# Altium PCB PCB.PcbDoc (part 1 of 2) (continued)
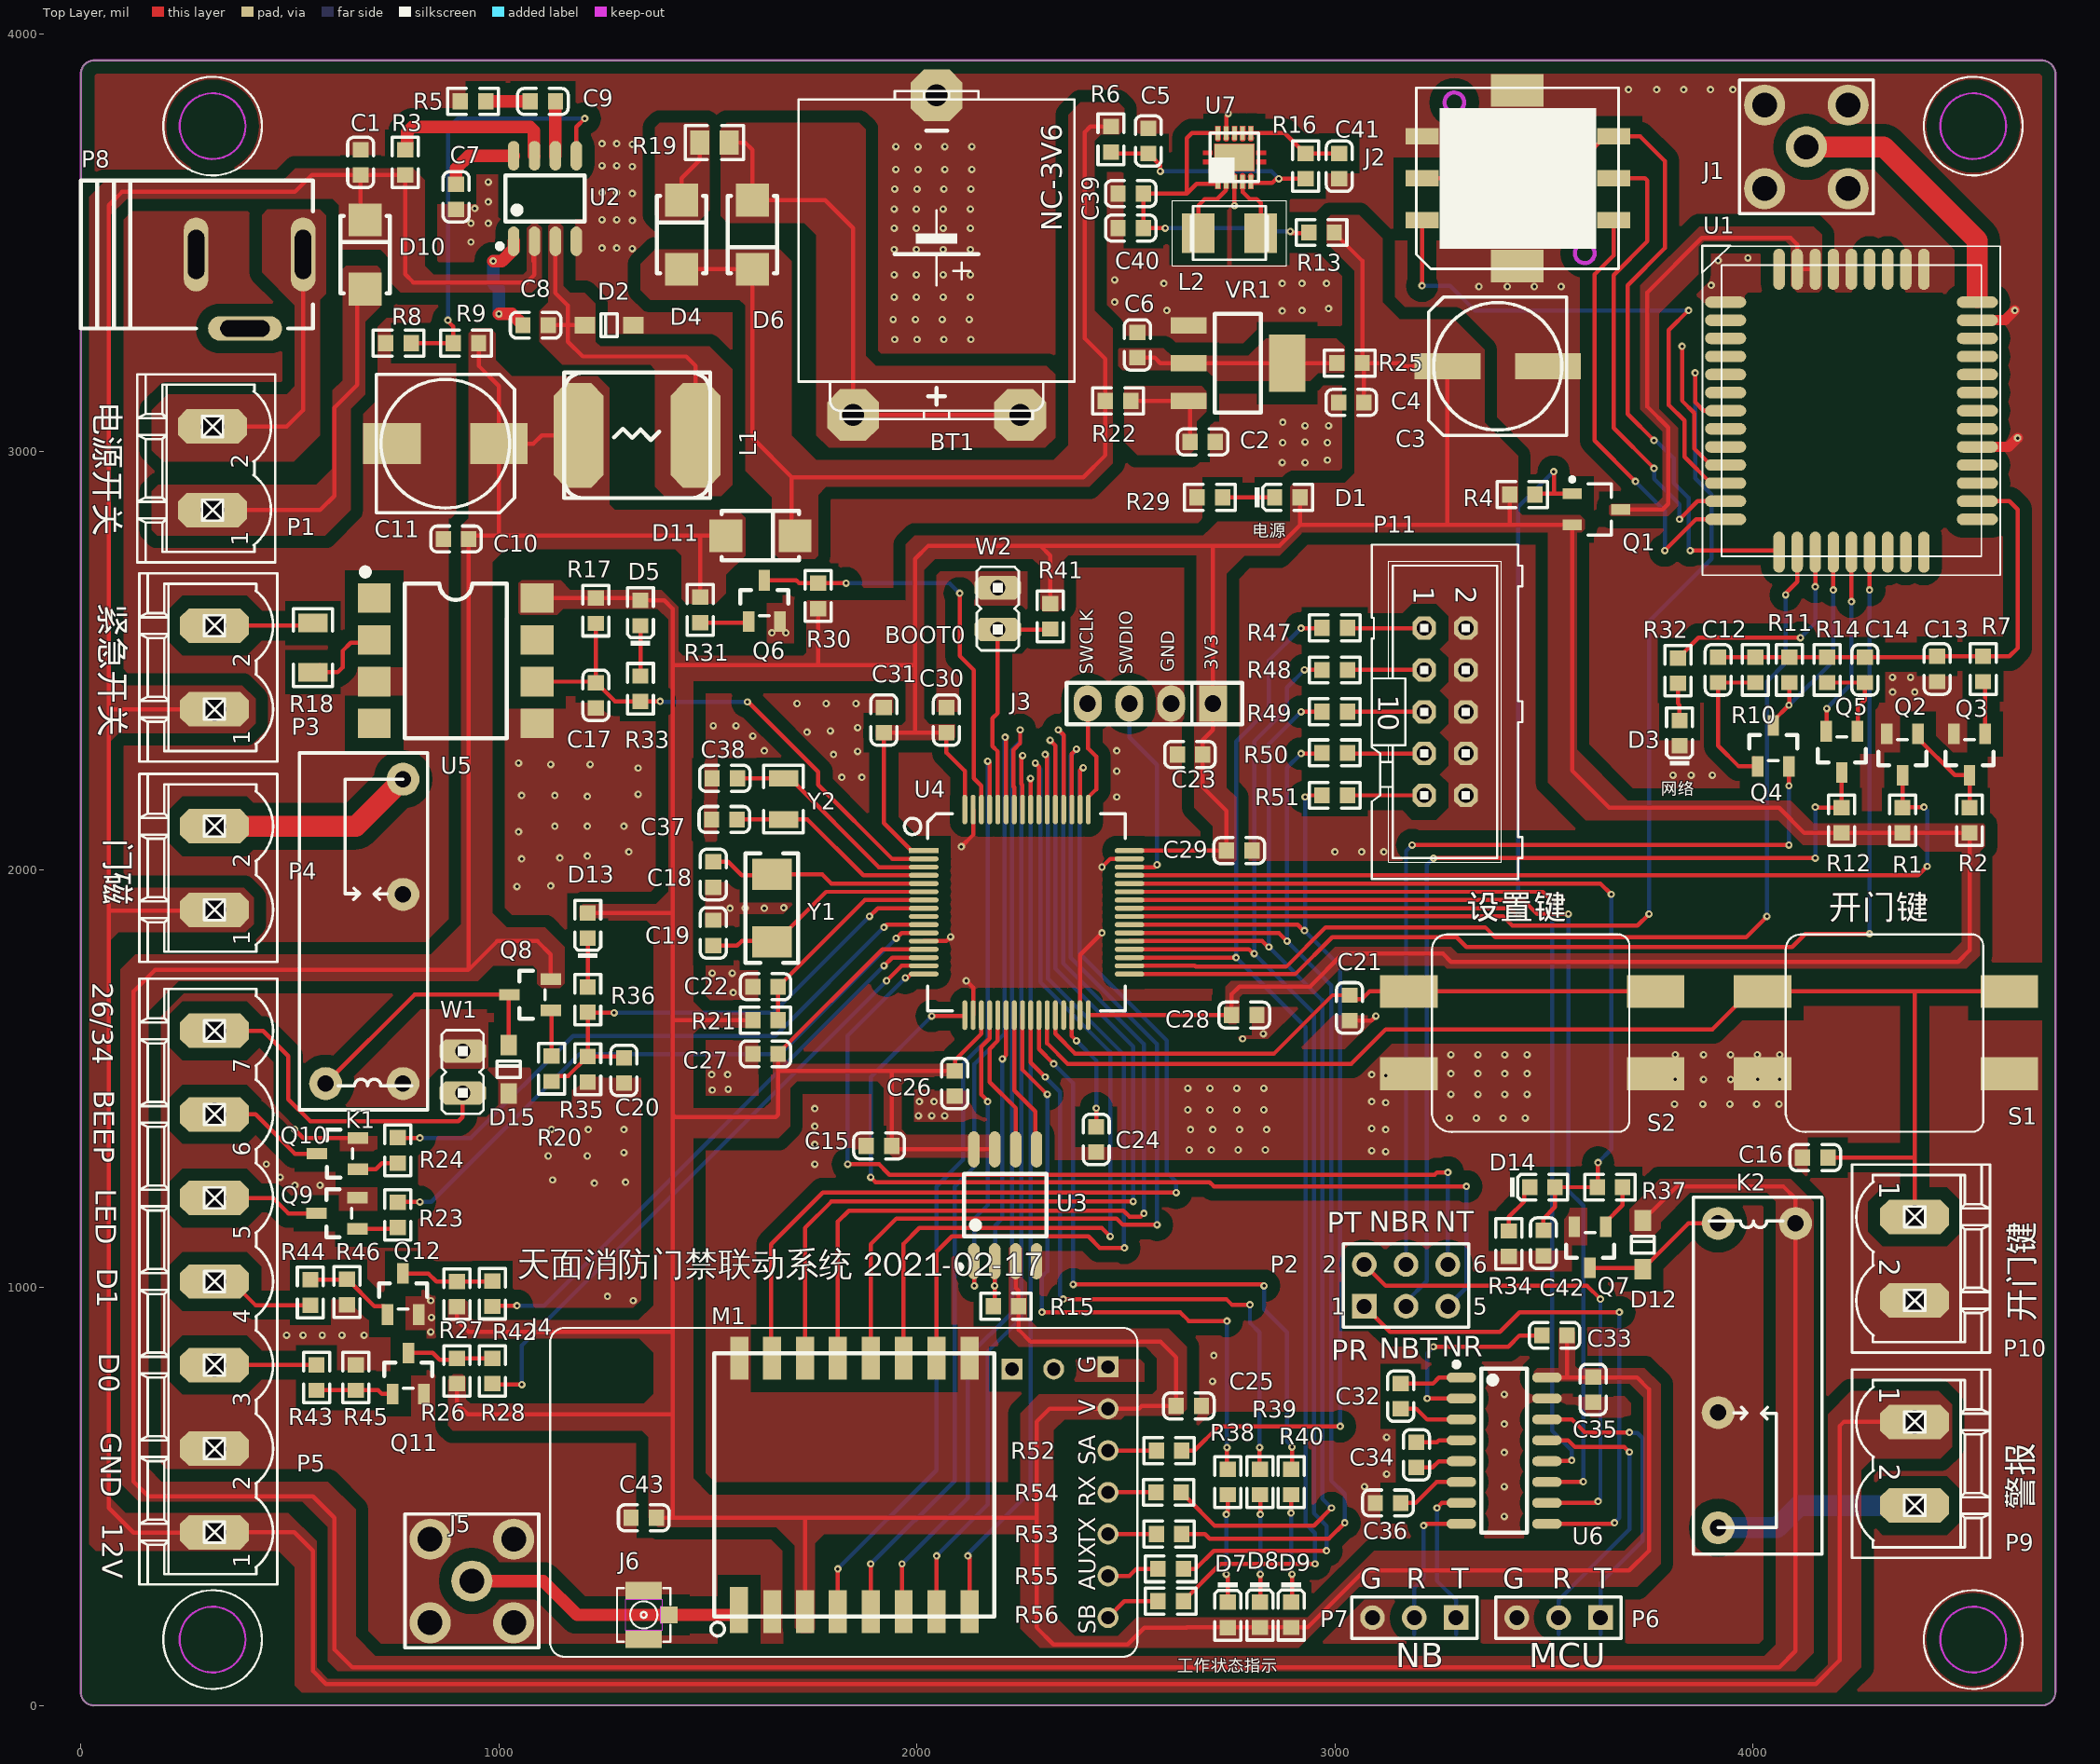
[diagram p0: Top Layer view]
## Footprints (in the part's own frame and the unit in brackets; to place one, negate y for a bottom-side part, rotate by r counter-clockwise, add the part's x,y. Pads: shape width x height; smd on the part's side, far side on the other; paste and mask are expansions set on the pad)
3V60R [mil]
  oct 124x124 hole 52: 1(-400,-200) 1(-400,200) 2(365,0)
  silkscreen extent -410,-330 375,330
12*12_KEY [mm]
  rect 3.5x2 smd: 1(-7.5,2.5) 2(-7.5,-2.5) 3(7.5,2.5) 4(7.5,-2.5)
  silkscreen extent -6.1,-6.04 5.9,5.97
153CLV-0807 [mm]
  rect 4x1.6 smd: 1(3.05,0) 2(-3.05,0)
  silkscreen extent -4.2,-4.2 4.2,4.2
153CLV-0810 [mm]
  rect 3.5x2.5 smd: 1(3.25,0) 2(-3.25,0)
  silkscreen extent -4.2,-4.2 4.2,4.2
0603_C [mm]
  rect 0.93x0.98 smd: 1(-0.77,0) 2(0.77,0)
  silkscreen extent -1.53,-0.79 1.54,0.79, body extent -0.8,-0.4 0.8,0.4, height 0.3
0603_LED_S1 [mm]
  rect 0.93x0.98 smd: A(0.77,0) K(-0.77,0)
  silkscreen extent -1.98,-0.79 1.54,0.79, body extent -0.8,-0.4 0.8,0.4, height 0.6
0603_R [mm]
  rect 0.93x0.98 smd: 1(-0.77,0) 2(0.77,0)
  silkscreen extent -1.53,-0.79 1.54,0.79, body extent -0.85,-0.4 0.85,0.4, height 0.56
0805_R [mm]
  rect 1.16x1.47 smd: 1(-0.89,0) 2(0.89,0)
  silkscreen extent -1.77,-1.04 1.77,1.03, body extent -1,-0.62 1,0.63, height 0.49
1206_R [mm]
  rect 1.13x1.8 smd: 1(-1.49,0) 2(1.49,0)
  silkscreen extent -2.36,-1.2 2.35,1.2, body extent -1.7,-0.86 1.65,0.87, height 0.85
COAXIAL/SMD/CON/V/I-PEX/W08-5801 [mm] "https://shop463601444.taobao.com"
  rect 1x1.05 smd: 1(0,-1.525)
  rect 1.05x2.2 smd: 2(-1.475,0) 3(1.475,0)
  Keep-Out Layer pour cut-out: -0.95,1.1 0.95,1.1 0.95,-1.1 0.5,-1.1 0.5,-1 -0.5,-1 -0.5,-1.1 -0.95,-1.1 -0.95,1.1
  silkscreen extent -1.63,-1.63 1.63,1.63
DRC-S-PVSON-N10 [mm]
  rect 0.28x0.85 smd: 1(-1,-1.475) 2(-0.5,-1.475) 3(0,-1.475) 4(0.5,-1.475) 5(1,-1.475) 6(1,1.475) 7(0.5,1.475) 8(0,1.475) 9(-0.5,1.475) 10(-1,1.475)
  rect 2.4x1.65 smd: TH(0,0)
  Top Layer circle w0.008: c-1,-1.165 r0.175
  Top Layer circle w0.008: c-1,-1.165 r0.115
  Top Layer circle w0.008: c-0.5,-1.165 r0.115
  Top Layer circle w0.008: c0,-1.165 r0.115
  Top Layer circle w0.008: c0.5,-1.165 r0.115
  Top Layer circle w0.008: c1,-1.165 r0.115
  Top Layer circle w0.008: c1,1.165 r0.115
  Top Layer circle w0.008: c0.5,1.165 r0.115
  Top Layer circle w0.008: c0,1.165 r0.115
  Top Layer circle w0.008: c-0.5,1.165 r0.115
  Top Layer circle w0.008: c-1,1.165 r0.115
  Top Layer circle w0.008: c-0.5,-1.165 r0.175
  Top Layer circle w0.008: c0,-1.165 r0.175
  Top Layer circle w0.008: c0.5,-1.165 r0.175
  Top Layer circle w0.008: c1,-1.165 r0.175
  Top Layer circle w0.008: c1,1.165 r0.175
  Top Layer circle w0.008: c0.5,1.165 r0.175
  Top Layer circle w0.008: c0,1.165 r0.175
  Top Layer circle w0.008: c-0.5,1.165 r0.175
  Top Layer circle w0.008: c-1,1.165 r0.175
  Top Layer region: -1.925,0.125 -1.325,0.125 -1.325,0.425 -1.925,0.425
  Top Layer region: -1.925,-0.425 -1.325,-0.425 -1.325,-0.125 -1.925,-0.125
  Top Layer region: -1.225,-0.85 1.225,-0.85 1.225,0.85 -1.225,0.85
  Top Layer region: -1.9,0.15 -1.325,0.15 -1.325,0.4 -1.9,0.4
  Top Layer region: -1.9,-0.4 -1.325,-0.4 -1.325,-0.15 -1.9,-0.15
  Top Layer region: -1.175,0.15 -0.15,0.15 -0.15,0.8 -1.175,0.8
  Top Layer region: -1.175,-0.8 -0.15,-0.8 -0.15,-0.15 -1.175,-0.15
  Top Layer region: 1.175,-0.15 0.15,-0.15 0.15,-0.8 1.175,-0.8
  Top Layer region: 1.175,0.8 0.15,0.8 0.15,0.15 1.175,0.15
  Top Layer region: -1.175,-1.925 -0.825,-1.925 -0.825,-1.165 -1.175,-1.165
  Top Layer region: -0.885,-1.85 -0.885,-1.165 -1.115,-1.165 -1.115,-1.85
  Top Layer region: -0.385,-1.85 -0.385,-1.165 -0.615,-1.165 -0.615,-1.85
  Top Layer region: 0.115,-1.85 0.115,-1.165 -0.115,-1.165 -0.115,-1.85
  Top Layer region: 0.615,-1.85 0.615,-1.165 0.385,-1.165 0.385,-1.85
  Top Layer region: 1.115,-1.85 1.115,-1.165 0.885,-1.165 0.885,-1.85
  Top Layer region: 0.885,1.85 0.885,1.165 1.115,1.165 1.115,1.85
  Top Layer region: 0.385,1.85 0.385,1.165 0.615,1.165 0.615,1.85
  Top Layer region: -0.115,1.85 -0.115,1.165 0.115,1.165 0.115,1.85
  Top Layer region: -0.615,1.85 -0.615,1.165 -0.385,1.165 -0.385,1.85
  Top Layer region: -1.115,1.85 -1.115,1.165 -0.885,1.165 -0.885,1.85
  Top Layer region: -0.675,-1.925 -0.325,-1.925 -0.325,-1.165 -0.675,-1.165
  Top Layer region: -0.175,-1.925 0.175,-1.925 0.175,-1.165 -0.175,-1.165
  Top Layer region: 0.325,-1.925 0.675,-1.925 0.675,-1.165 0.325,-1.165
  Top Layer region: 0.825,-1.925 1.175,-1.925 1.175,-1.165 0.825,-1.165
  Top Layer region: 1.175,1.925 0.825,1.925 0.825,1.165 1.175,1.165
  Top Layer region: 0.675,1.925 0.325,1.925 0.325,1.165 0.675,1.165
  Top Layer region: 0.175,1.925 -0.175,1.925 -0.175,1.165 0.175,1.165
  Top Layer region: -0.325,1.925 -0.675,1.925 -0.675,1.165 -0.325,1.165
  Top Layer region: -0.825,1.925 -1.175,1.925 -1.175,1.165 -0.825,1.165
  Top Layer region: 1.925,-0.125 1.325,-0.125 1.325,-0.425 1.925,-0.425
  Top Layer region: 1.925,0.425 1.325,0.425 1.325,0.125 1.925,0.125
  Top Layer region: 1.9,-0.15 1.325,-0.15 1.325,-0.4 1.9,-0.4
  Top Layer region: 1.9,0.4 1.325,0.4 1.325,0.15 1.9,0.15
  silkscreen extent -1.57,-1.58 1.48,1.47
G5NB-1A [mm]
  round 2 hole 1: 1(0,0) 2(11.5,0) 3(18.5,0) 4(0,4.7)
  silkscreen extent -1.6,-1.5 20.1,6.3
HDR1X3 [mm] "Connector; Header; 3 Position"
  rect 1.5x1.5 hole 0.9: 1(0,0)
  round 1.5 hole 0.9: 2(2.54,0) 3(5.08,0)
  silkscreen extent -1.27,-1.27 6.35,1.27
HDR2X3 [mm] "Connector; Header; 3x2 Position"
  rect 1.5x1.5 hole 0.9: 1(0,0)
  round 1.5 hole 0.9: 2(0,2.54) 3(2.54,0) 4(2.54,2.54) 5(5.08,0) 6(5.08,2.54)
  silkscreen extent -1.27,-1.27 6.35,3.81
JP1 [mil]
  oct 112x56 hole 36: 1(0,-50) 2(0,50)
  silkscreen extent -50,-100 50,100
L7-8 [mil]
  oct 120x250 smd: 1(-140,0) 2(140,0)
  silkscreen extent -175,-150 175,150
L4532M [mm]
  rect 2x2.4 smd: 1(-1.9,0) 2(1.9,0)
  silkscreen extent -3.47,-1.98 3.47,1.98
LQFP64 [mm]
  rect 1.8x0.3 smd: 1(0,0)
  oval 1.8x0.3 smd: 2(0,-0.5) 3(0,-1) 4(0,-1.5) 5(0,-2) 6(0,-2.5) 7(0,-3) 8(0,-3.5) 9(0,-4) 10(0,-4.5) 11(0,-5) 12(0,-5.5) 13(0,-6) 14(0,-6.5) 15(0,-7) 16(0,-7.5) 33(12.5,-7.5) 34(12.5,-7) 35(12.5,-6.5) 36(12.5,-6) 37(12.5,-5.5) 38(12.5,-5) 39(12.5,-4.5) 40(12.5,-4) 41(12.5,-3.5) 42(12.5,-3) 43(12.5,-2.5) 44(12.5,-2) 45(12.5,-1.5) 46(12.5,-1) 47(12.5,-0.5) 48(12.5,0)
  oval 0.3x1.8 smd: 17(2.5,-10) 18(3,-10) 19(3.5,-10) 20(4,-10) 21(4.5,-10) 22(5,-10) 23(5.5,-10) 24(6,-10) 25(6.5,-10) 26(7,-10) 27(7.5,-10) 28(8,-10) 29(8.5,-10) 30(9,-10) 31(9.5,-10) 32(10,-10) 49(10,2.5) 50(9.5,2.5) 51(9,2.5) 52(8.5,2.5) 53(8,2.5) 54(7.5,2.5) 55(7,2.5) 56(6.5,2.5) 57(6,2.5) 58(5.5,2.5) 59(5,2.5) 60(4.5,2.5) 61(4,2.5) 62(3.5,2.5) 63(3,2.5) 64(2.5,2.5)
  silkscreen extent -1.18,-9.75 12.25,2.25
M26 [mm]
  oval 2.5x0.7 smd: 1(-7.65,6.6) 2(-7.65,5.5) 3(-7.65,4.4) 4(-7.65,3.3) 5(-7.65,2.2) 6(-7.65,1.1) 7(-7.65,0) 8(-7.65,-1.1) 9(-7.65,-2.2) 10(-7.65,-3.3) 11(-7.65,-4.4) 12(-7.65,-5.5) 13(-7.65,-6.6) 23(7.65,-6.6) 24(7.65,-5.5) 25(7.65,-4.4) 26(7.65,-3.3) 27(7.65,-2.2) 28(7.65,-1.1) 29(7.65,0) 30(7.65,1.1) 31(7.65,2.2) 32(7.65,3.3) 33(7.65,4.4) 34(7.65,5.5) 35(7.65,6.6)
  oval 0.7x2.5 smd: 14(-4.4,-8.6) 15(-3.3,-8.6) 16(-2.2,-8.6) 17(-1.1,-8.6) 18(0,-8.6) 19(1.1,-8.6) 20(2.2,-8.6) 21(3.3,-8.6) 22(4.4,-8.6) 36(4.4,8.6) 37(3.3,8.6) 38(2.2,8.6) 39(1.1,8.6) 40(0,8.6) 41(-1.1,8.6) 42(-2.2,8.6) 43(-3.3,8.6) 44(-4.4,8.6)
  silkscreen extent -9.1,-10 9.05,10.05
ML10 [mil]
  oct 56x56 hole 36: 1(-200,-50) 2(-200,50) 3(-100,-50) 4(-100,50) 5(0,-50) 6(0,50) 7(100,-50) 8(100,50) 9(200,-50) 10(200,50)
  silkscreen extent -400,-175 400,185
MSTBV2 [mil]
  oct 82.5x165 hole 55: 1(-100,0) 2(100,0)
  silkscreen extent -225,-150 225,180
MSTBV7 [mil]
  oct 82.5x165 hole 55: 1(-600,0) 2(-400,0) 3(-200,0) 4(0,0) 5(200,0) 6(400,0) 7(600,0)
  silkscreen extent -725,-150 725,180
NANOSIM [mil]
  rect 39.37x78.74 smd: 1(119,105) 2(219,105) 3(319,105) 4(319,563) 5(219,563) 6(119,563)
  rect 78.74x125.98 smd: 7(429,335) 8(9,335)
  Keep-Out Layer circle w10: c39.38,174 r23.62
  Keep-Out Layer circle w10: c400.38,486 r23.62
  silkscreen extent 2,93 435,577
"POWER_SOCK _INSERT_5" [mm]
  oval 4.5x1.5 hole 1 slot 3 at 0 deg: 1(0,0) 2(0,6.5)
  oval 1.5x4.5 hole 1 slot 3 at 90 deg: 3(4.5,2.972)
  silkscreen extent -4.5,-7 4.5,7.11
"Ra-01 Module" [mm]
  rect 2.8x1.1 smd: 1(-7.6,7.002)
  rect 2.6x1.1 smd: 2(-7.7,4.99) 3(-7.7,3.002) 4(-7.7,1.002) 5(-7.7,-0.998) 6(-7.7,-2.998) 7(-7.7,-4.998) 8(-7.7,-6.998) 9(7.7,-6.998) 10(7.7,-4.998) 11(7.7,-2.998) 12(7.7,-0.998) 13(7.7,1.002) 14(7.7,3.002) 15(7.7,5.002) 16(7.7,6.996)
  silkscreen extent -9.18,-8.5 8,8.72
"ROLA MODULE" [mil]
  rect 50x50 hole 32: 1(-115,-300) 9(115,-295)
  round 50 hole 32: 2(-115,-200) 3(-115,-100) 4(-115,0) 5(-115,100) 6(-115,200) 7(-115,300) 8(15,-295)
  Top Layer lines w10: -110.2,104.8 -115,100 ; -114.8,299.8 -115,300 ; -114.8,199.8 -115,200 ; -114.8,-0.2 -115,0 ; -114.8,-99.8 -115,-100
  silkscreen extent -185,-394 1220,394
SIP4 [mm]
  rect 1.7x2.2 hole 1: 1(0,0)
  oval 1.7x2.2 hole 1: 2(2.54,0) 3(5.08,0) 4(7.62,0)
  silkscreen extent -1.78,-1.27 8.92,1.27
SMA(DO-214AC)_S1 [mm]
  rect 2x2 smd: 1(2.1,0) 2(-2.1,0)
  silkscreen extent -2.35,-1.5 2.35,1.5
SMD-8_6.3mm [mm]
  rect 1.8x2 smd: 1(-3.81,-4.95) 2(-1.27,-4.95) 3(1.27,-4.95) 4(3.81,-4.95) 5(3.81,4.95) 6(1.27,4.95) 7(-1.27,4.95) 8(-3.81,4.95)
  silkscreen extent -5.6,-5.7 4.7,3.1
"SMD-3215_2P FC - 135" [mm]
  rect 1x1.8 smd: 1(-1.25,0) 2(1.25,0)
  silkscreen extent -2.05,-1.2 2.05,1.2
SMD-5032_2P [mm]
  rect 1.9x2.4 smd: 1(-2.05,0) 2(2.05,0)
  silkscreen extent -3.32,-1.6 3.32,1.6
SOD-123 [mm]
  rect 1.25x1 smd: 1(1.475,0) 2(-1.475,0)
  silkscreen extent -0.5,-0.7 0.5,0.7, body extent -1.85,-0.77 1.85,0.78, height 1.35
SOIC-8_150mil [mm]
  oval 0.7x1.8 smd: 1(-1.905,-2.6) 2(-0.635,-2.6) 3(0.635,-2.6) 4(1.905,-2.6) 5(1.905,2.6) 6(0.635,2.6) 7(-0.635,2.6) 8(-1.905,2.6)
  silkscreen extent -2.9,-3.05 2.4,1.4
SOIC-8_208mil [mm]
  oval 0.7x2.2 smd: 1(-1.905,-3.4) 2(-0.635,-3.4) 3(0.635,-3.4) 4(1.905,-3.4) 5(1.905,3.4) 6(0.635,3.4) 7(-0.635,3.4) 8(-1.905,3.4)
  silkscreen extent -2.95,-3.9 2.5,1.9
SOIC-16_150mil [mm]
  oval 0.6x1.8 smd: 1(-4.445,-2.6) 2(-3.175,-2.6) 3(-1.905,-2.6) 4(-0.635,-2.6) 5(0.635,-2.6) 6(1.905,-2.6) 7(3.175,-2.6) 8(4.445,-2.6) 9(4.445,2.6) 10(3.175,2.6) 11(1.905,2.6) 12(0.635,2.6) 13(-0.635,2.6) 14(-1.905,2.6) 15(-3.175,2.6) 16(-4.445,2.6)
  silkscreen extent -5.4,-3.05 4.97,1.4, body extent -4.95,-2.97 4.95,3.03, height 1.75
SOT-23(SOT-23-3) [mm]
  rect 1.25x0.7 smd: 1(1.25,-0.95) 2(1.25,0.95) 3(-1.25,0)
  silkscreen extent -0.65,-1.46 0.9,1.46, body extent -1.5,-1.5 1.5,1.5, height 1.3
SOT-23-3L [mm] "http://www.aosmd.com/res/packaging_information/SOT-23-3L.pdf"
  rect 1.15x0.65 smd: 1(1.475,-0.95) 2(1.475,0.95) 3(-1.475,0)
  silkscreen extent -0.9,-1.95 1.6,1.55, body extent -0.9,-1.55 0.9,1.55, height 1.25
SOT-223 [mm]
  rect 2.2x1 smd: 1(3,-2.3) 2(3,0) 3(3,2.3)
  rect 2.2x3.5 smd: 2(-3,0)
  silkscreen extent -1.4,-3 1.4,3, body extent -3.49,-3.24 3.49,3.24, height 1.64
T-5P [mm]
  round 2.5 hole 1.5: 1(0.005,0.005) 2(-2.535,-2.535) 3(2.545,-2.535) 4(2.545,2.545) 5(-2.535,2.545)
  silkscreen extent -4.06,-4.06 4.07,4.07

## Part data
BT1: "Multicell Battery", LatestRevisionDate=17-Jul-2002, LatestRevisionNote="Re-released for DXP Platform.", PackageDescription="Battery; 2 Leads", PackageReference=BAT-2, Published=24-Mar-1999, Publisher="Altium Limited"
C1 C2 C4 C6 C7 C10 C15 C22 C23 C25 C26 C27 C28 C29 C30 C31 C32 C33 C34 C35 C36 C41 C43: library part "0603 100nF (104) 10% 50V", "贴片电容", Package=0603, SuppliersPartNumber=C14663, ComponentLink1Description=供应商链接, ComponentLink1URL=http://www.szlcsc.com/product/details_15331.html, Supplier=LC
C3: library part CAPACITOR, "Capacitor"
C5 C39 C40: library part "0603 10uF (106) 10% 10V", "贴片电容", Package=0603, SuppliersPartNumber=C19702, ComponentLink1Description=供应商链接, ComponentLink1URL=http://www.szlcsc.com/product/details_20411.html, Supplier=LC
C8 C16 C17 C20 C21 C42: library part "0603 10nF (103) 10% 50V", "贴片电容", Package=0603, SuppliersPartNumber=C57112, ComponentLink1Description=供应商链接, ComponentLink1URL=http://www.szlcsc.com/product/details_58143.html, Supplier=LC
C9: library part "0603 3.3nF (332) 10% 50V", "贴片电容", Package=0603, SuppliersPartNumber=C1613, ComponentLink1Description=供应商链接, ComponentLink1URL=http://www.szlcsc.com/product/details_1965.html, Supplier=LC
C11: library part ELECTRO1, "Electrolytic Capacitor"
C12 C14: library part "0603 1nF (102) 10% 50V", "贴片电容", Package=0603, SuppliersPartNumber=C1588, ComponentLink1Description=供应商链接, ComponentLink1URL=http://www.szlcsc.com/product/details_1940.html, Supplier=LC
C13: library part "0603 1uF (105) 10% 50V", "贴片电容", Package=0603, SuppliersPartNumber=C15849, ComponentLink1Description=供应商链接, ComponentLink1URL=http://www.szlcsc.com/product/details_16531.html, Supplier=LC
C18 C19: library part "0603 22pF (220) 5% 50V", "贴片电容", Package=0603, SuppliersPartNumber=C1653, ComponentLink1Description=供应商链接, ComponentLink1URL=http://www.szlcsc.com/product/details_2005.html, Supplier=LC
C24: library part "0603 4.7uF (475) 10% 16V", "贴片电容", Package=0603, SuppliersPartNumber=C19666, ComponentLink1Description=供应商链接, ComponentLink1URL=http://www.szlcsc.com/product/details_20375.html, Supplier=LC
C37 C38: library part "0603 15pF (150) 5% 50V", "贴片电容", Package=0603, SuppliersPartNumber=C1644, ComponentLink1Description=供应商链接, ComponentLink1URL=http://www.szlcsc.com/product/details_1996.html, Supplier=LC
D1 D5 D7 D13 D14: library part "0603 红灯", "发光二极管", Package=0603, SuppliersPartNumber=C2286, ComponentLink1Description=供应商链接, ComponentLink1URL=http://www.szlcsc.com/product/details_2659.html, Supplier=LC
D2 D12 D15: library part "SOD-123 B5819W  SL", "肖特基二极管", Package=SOD-123, SuppliersPartNumber=C8598, ComponentLink1Description=供应商链接, ComponentLink1URL=http://www.szlcsc.com/product/details_9093.html, Supplier=LC
D3 D8: library part "0603 绿灯", "发光二极管", Package=0603, SuppliersPartNumber=C72043, ComponentLink1Description=供应商链接, ComponentLink1URL=http://www.szlcsc.com/product/details_73152.html, Supplier=LC
D4 D6 D11: library part "SMA(DO-214AC) SS54", "二极管", Package=SMA(DO-214AC), SuppliersPartNumber=C22452, ComponentLink1Description=供应商链接, ComponentLink1URL=http://www.szlcsc.com/product/details_23178.html, Supplier=LC
D9: library part "0603 黄灯", "发光二极管", Package=0603, SuppliersPartNumber=C72038, ComponentLink1Description=供应商链接, ComponentLink1URL=http://www.szlcsc.com/product/details_73147.html, Supplier=LC
D10: library part "SMA(DO-214AC) M7", "二极管", Package=SMA(DO-214AC), SuppliersPartNumber=C95872, ComponentLink1Description=供应商链接, ComponentLink1URL=http://www.szlcsc.com/product/details_2841.html, Notepad="1N4007 4007 编号C2464 已经停售, 使用新物料编号C95872", Supplier=LC
J1 J2 J5: "Connector"
J3: library part CON4, "Connector"
J4: library part CON7, "Connector"
J6 P6 P7: "Header, 3-Pin", LatestRevisionDate=17-Jul-2002, LatestRevisionNote="Re-released for DXP Platform.", Publisher="Altium Limited"
L1: library part "INDUCTOR IRON"
L2: library part "0805 2.2uH 10%", "贴片电感", Package=0805, SuppliersPartNumber=C1043, ComponentLink1Description=供应商链接, ComponentLink1URL=http://www.szlcsc.com/product/details_1395.html, Supplier=LC
P1 P3 P4 P9 P10: "Header, 2-Pin", LatestRevisionDate=17-Jul-2002, LatestRevisionNote="Re-released for DXP Platform.", Publisher="Altium Limited"
P2: "Header, 3-Pin, Dual row", LatestRevisionDate=17-Jul-2002, LatestRevisionNote="Re-released for DXP Platform.", Publisher="Altium Limited"
P5: "Header, 7-Pin", LatestRevisionDate=17-Jul-2002, LatestRevisionNote="Re-released for DXP Platform.", Publisher="Altium Limited"
P8: "Header, 3-Pin, Right Angle", LatestRevisionDate=17-Jul-2002, LatestRevisionNote="Re-released for DXP Platform.", Publisher="Altium Limited"
P11: "Header, 5-Pin, Dual row", LatestRevisionDate=17-Jul-2002, LatestRevisionNote="Re-released for DXP Platform.", Publisher="Altium Limited"
Q1: "MOS(场效应管)", Package=SOT-23, SuppliersPartNumber=C15127, ComponentLink1Description=供应商链接, ComponentLink1URL=http://www.szlcsc.com/product/details_15801.html, Supplier=LC
Q2 Q3 Q4 Q5 Q6 Q7 Q9 Q10: library part "SOT-23 SS8050 Y1", "三极管", Package=SOT-23, SuppliersPartNumber=C2150, ComponentLink1Description=供应商链接, ComponentLink1URL=http://www.szlcsc.com/product/details_2507.html, Supplier=LC
Q8: library part "SOT-23 SS8550 Y2", "三极管", Package=SOT-23, SuppliersPartNumber=C8542, ComponentLink1Description=供应商链接, ComponentLink1URL=http://www.szlcsc.com/product/details_9037.html, Supplier=LC
Q11 Q12: library part "SOT-23 MMBT5551  G1", "三极管", Package=SOT-23, SuppliersPartNumber=C2145, ComponentLink1Description=供应商链接, ComponentLink1URL=http://www.szlcsc.com/product/details_2502.html, Supplier=LC
R1 R2 R4: library part "0603 1MΩ (1004) 1%", "贴片电阻", Package=0603, SuppliersPartNumber=C22935, ComponentLink1Description=供应商链接, ComponentLink1URL=http://www.szlcsc.com/product/details_23662.html, Supplier=LC
R3 R41: library part "0603 100KΩ (1003) 1%", "贴片电阻", Package=0603, SuppliersPartNumber=C25803, ComponentLink1Description=供应商链接, ComponentLink1URL=http://www.szlcsc.com/product/details_26546.html, Supplier=LC
R5: library part "0603 5.6KΩ (5601) 1%", "贴片电阻", Package=0603, SuppliersPartNumber=C23189, ComponentLink1Description=供应商链接, ComponentLink1URL=http://www.szlcsc.com/product/details_23916.html, Supplier=LC
R6 R13 R22 R25 R28 R42 R47 R48 R49 R50 R51 R52 R53 R54 R55 R56: library part "0603 0Ω (0R0) 1%", "贴片电阻", Package=0603, SuppliersPartNumber=C21189, ComponentLink1Description=供应商链接, ComponentLink1URL=http://www.szlcsc.com/product/details_21903.html, Supplier=LC
R7 R20 R23 R24 R37: library part "0603 1KΩ (1001) 1%", "贴片电阻", Package=0603, SuppliersPartNumber=C21190, ComponentLink1Description=供应商链接, ComponentLink1URL=http://www.szlcsc.com/product/details_21904.html, Supplier=LC
R8: library part "0603 33KΩ (3302) 1%", "贴片电阻", Package=0603, SuppliersPartNumber=C4216, ComponentLink1Description=供应商链接, ComponentLink1URL=http://www.szlcsc.com/product/details_4623.html, Supplier=LC
R9: library part "0603 150KΩ (1503) 1%", "贴片电阻", Package=0603, SuppliersPartNumber=C22807, ComponentLink1Description=供应商链接, ComponentLink1URL=http://www.szlcsc.com/product/details_23534.html, Supplier=LC
R10 R14 R31: library part "0603 4.7KΩ (4701) 1%", "贴片电阻", Package=0603, SuppliersPartNumber=C23162, ComponentLink1Description=供应商链接, ComponentLink1URL=http://www.szlcsc.com/product/details_23889.html, Supplier=LC
R11 R12 R17 R21 R26 R27 R30 R35 R43 R44 R45 R46: library part "0603 10KΩ (1002) 1%", "贴片电阻", Package=0603, SuppliersPartNumber=C25804, ComponentLink1Description=供应商链接, ComponentLink1URL=http://www.szlcsc.com/product/details_26547.html, Supplier=LC
R15: library part "0603 510Ω (5100) 1%", "贴片电阻", Package=0603, SuppliersPartNumber=C23193, ComponentLink1Description=供应商链接, ComponentLink1URL=http://www.szlcsc.com/product/details_23920.html, Supplier=LC
R16: library part "0603 100Ω (1000) 1%", "贴片电阻", Package=0603, SuppliersPartNumber=C22775, ComponentLink1Description=供应商链接, ComponentLink1URL=http://www.szlcsc.com/product/details_23502.html, Supplier=LC
R18: library part "1206 1KΩ (1001) 1%", "贴片电阻", Package=1206, SuppliersPartNumber=C4410, ComponentLink1Description=供应商链接, ComponentLink1URL=http://www.szlcsc.com/product/details_4817.html, Supplier=LC
R19: library part "0805 100Ω (1000) 1%", "贴片电阻", Package=0805, SuppliersPartNumber=C17408, ComponentLink1Description=供应商链接, ComponentLink1URL=http://www.szlcsc.com/product/details_18096.html, Supplier=LC
R29 R32 R33 R34 R36 R38 R39 R40: library part "0603 3.3KΩ (3301) 1%", "贴片电阻", Package=0603, SuppliersPartNumber=C22978, ComponentLink1Description=供应商链接, ComponentLink1URL=http://www.szlcsc.com/product/details_23705.html, Supplier=LC
S1 S2: "Double-Pole, Single-Throw Switch", LatestRevisionDate=17-Jul-2002, LatestRevisionNote="Re-released for DXP Platform.", PackageDescription="Switch; 4 Leads", PackageReference=DPST-4, Published=24-Mar-1999, Publisher="Altium Limited"
U1: library part M26
U2: library part MP1482DS_[C14867], "电源芯片", Package=SOIC-8_150mil, SuppliersPartNumber=C14867, ComponentLink1Description=供应商链接, ComponentLink1URL=http://www.szlcsc.com/product/details_15539.html, Supplier=LC
U3: library part W25Q128JVSIQTR_[C97521], "Flash ROM", Package=SOIC-8, SuppliersPartNumber=C97521, ComponentLink1Description=供应商链接, ComponentLink1URL=https://item.szlcsc.com/98729.html, Supplier=LC
U4: library part STM32F401RC
U5: library part 6N137S(TA)_[C16496], "贴片光耦", Package=SMD-8_6.3mm, SuppliersPartNumber=C16496, ComponentLink1Description=供应商链接, ComponentLink1URL=http://www.szlcsc.com/product/details_17178.html, Supplier=LC
U6: library part MAX232ESE_[C26860], "RS232", Package=SOIC-16_150mil, SuppliersPartNumber=C26860, ComponentLink1Description=供应商链接, ComponentLink1URL=http://www.szlcsc.com/product/details_27608.html, Supplier=LC
VR1: library part "SOT-223 AMS1117-3.3", "低压差线性稳压(LDO)", Package=SOT-223, SuppliersPartNumber=C6186, ComponentLink1Description=供应商链接, ComponentLink1URL=http://www.szlcsc.com/product/details_6652.html, Supplier=LC
W1 W2: "Jumper Wire", LatestRevisionDate=17-Jul-2002, LatestRevisionNote="Re-released for DXP Platform.", PackageDescription="Radial Cap, Thru-Hole; 2 Leads; 0.2 in Pin Spacing", PackageReference=RAD-0.2, Published=24-Mar-1999, Publisher="Altium Limited"
Y1: library part "SMD-5032_2P 8MHz 20ppm 20pF", "贴片晶振", Package=SMD-5032_2P, SuppliersPartNumber=C115962, ComponentLink1Description=供应商链接, ComponentLink1URL=http://www.szlcsc.com/product/details_117214.html, Supplier=LC
Y2: library part "SMD-3215_2P 32.768KHz 20ppm 12.5pF", "贴片晶振", Package=SMD-3215_2P, SuppliersPartNumber=C32346, ComponentLink1Description=供应商链接, ComponentLink1URL=http://www.szlcsc.com/product/details_33310.html, Supplier=LC

## Via types
v1: diameter 17.72, hole 7.87, Top Layer to Bottom Layer, 397 vias

## Nets (pads, with @x,y where several pads share a name; then routed paths per layer and width w, separated by ;. In a path a pad name is that pad's centre, name@x,y a point inside that pad or via, vN(x,y) a via of type N, cw(c..) or ccw(c..) an arc to the next point about the centre after c; other vN are vias at no path point)
3V3: C3.1 C4.2 C15.1 C23.1 C25.1 C26.2 C27.2 C28.2 C29.2 C30.2 C31.2 C33.2 C35.2 C43.1 D1.A D5.A D7.A D8.A D9.A D13.A J3.1 J4.2 M1.3 Q1.2 R1.2 R2.2 R4.2 R12.1 R13.2 R15.1 R17.1 R21.2 R25.2 R26.1 R27.1 R30.2 R41.2 U3.3 U3.7 U3.8 U4.1 U4.13 U4.19 U4.32 U4.48 U4.64 U5.8 U6.16 | length 20730
  Top Layer w10: R26.1@900,769.81 900,722.05 924.99,697.06 1415.59,697.06 ; R27.1@900,954.06 900,921.65 927.95,893.7 1410.47,893.7 1415.59,898.82 ; U5.8@1091.65,2650.06 R17.1@1232.28,2650.06 1333.02,2650.06 D5.A@1338.58,2644.49 1395.91,2644.49 1415.59,2624.8 1415.59,2490.08 ; D13.A@1212.6,1896.46 1415.59,1896.46 ; C43.1@1376.77,448.82 1417.32,448.82 ; R21.2@1607.62,1639.83 1415.59,1639.83 ; M1.3@1732.2,224.41 1732.2,448.82 ; R30.2@1763.78,2624.8 1763.78,2490.08 ; U4.13@2016.54,1809.35 1917.43,1809.35 1668.11,1560.04 C27.2@1668.11,1559.06 1668.11,1518.65 ; U4.1@2016.54,2045.57 1987.01,2045.57 1921.26,2111.32 C31.2@1921.26,2327.95 1996.06,2327.95 ; U4.64@2114.96,2144 2114.96,2235.98 2070.87,2280.07 C30.2@2070.87,2327.95 1996.06,2327.95 ; U4.19@2154.33,1651.87 2154.33,1607.23 2091.54,1544.43 2091.54,1519.49 2091.04,1519 2091.54,1518.5 C26.2@2090.55,1518.5 1939.76,1518.5 ; U3.7@2186.39,1330.71 U3.8@2136.39,1330.71 1947.64,1330.71 C15.1@1939.76,1338.58 1939.76,1518.5 ; U3.3@2236.39,1062.99 2236.39,999.44 2243.7,992.13 R15.1@2243.7,955.12 2243.7,898.82 2272.44,870.08 2583.37,870.08 2620.47,832.97 C25.1@2620.47,716.54 2538.15,716.54 2531.5,709.88 J4.2@2457.52,709.88 2317.56,709.88 2286.39,678.71 2286.39,448.82 ; R41.2@2318.9,2636.61 2318.9,2751.97 2295.28,2775.59 ; U4.32@2410.24,1651.87 C28.2@2753.15,1651.87 2753.15,1701.97 2771.65,1720.47 2940.94,1720.47 3019.68,1799.21 3258.69,1799.21 3278.37,1779.53 4491.14,1779.53 4518.7,1807.09 R2.2@4518.7,2087.8 R1.2@4358.27,2087.8 R12.1@4212.6,2087.8 4123.62,2087.8 4062.99,2148.43 3656.69,2148.43 3567.91,2237.2 Q1.2@3567.91,2824.8 3418.5,2824.8 ; U4.48@2508.66,2045.57 C29.2@2741.13,2045.57 2741.13,2140.76 2683.86,2198.03 C23.1@2683.86,2275.59 2683.86,2309.84 2708.66,2334.65 J3.1@2708.66,2397.64 2708.66,2772.93 2706,2775.59 ; D1.A@2916.73,2890.94 2916.73,2824.8 ; R13.2@2998.82,3525 2998.82,3524.02 3065.75,3457.09 3065.75,3216.54 R25.2@3070.04,3212.24 ; C4.2@3069.69,3118.15 3069.69,3208.66 3066.1,3212.24 R25.2@3070.04,3212.24 ; R4.2@3418.5,2897.64 3418.5,2824.8 ; U6.16@3507.6,784.45 3558.46,784.45 ; C33.2@3555.87,885.51 3555.87,787.05 3558.46,784.45 ; 1415.59,697.06 1415.59,450.55 1417.32,448.82 ; 1415.59,697.06 1415.59,898.82 ; 1415.59,898.82 1415.59,1414.37 ; 1415.59,1414.37 1415.59,1639.83 ; 1415.59,1414.37 1422.22,1407.74 1662.25,1407.74 1668.11,1413.6 1668.11,1518.65 ; 1415.59,1639.83 1415.59,1896.46 ; 1415.59,1896.46 1415.59,2490.08 ; 1415.59,2490.08 1763.78,2490.08 ; 1417.32,448.82 1732.2,448.82 ; 1668.11,1518.65 1668.25,1518.5 1939.76,1518.5 ; 1732.2,448.82 2286.39,448.82 ; 1763.78,2490.08 1996.06,2490.08 ; 1996.06,2327.95 1996.06,2490.08 ; 1996.06,2490.08 1996.06,2744.09 2027.56,2775.59 2295.28,2775.59 ; 2286.39,448.82 2286.39,186.46 2327.17,145.67 2503.94,145.67 2544.41,186.14 2645.55,186.14 2645.87,186.46 2765.55,186.46 D9.A@2895.55,186.46 2934.74,186.46 3071.12,322.83 3704.37,322.83 3751.61,370.08 3751.61,756.26 3723.43,784.45 3558.46,784.45 ; 2295.28,2775.59 2706,2775.59 ; 2706,2775.59 2867.52,2775.59 2916.73,2824.8 ; 2916.73,2824.8 3269.68,2824.8 ; R25.2@3070.04,3212.24 3161.42,3212.24 3168.94,3204.72 C3.1@3269.68,3204.72 3269.68,2824.8 ; 3269.68,2824.8 3418.5,2824.8
5V: C10.1 C11.1 D11.1 D12.2 K2.4 L1.2 Q8.2 R9.2 R31.2 | length 10632.4
  Top Layer w10: R9.2@951.57,3259.84 951.57,3205.91 1000,3157.48 C11.1@1000,3019.68 ; Q8.2@1124.02,1738.19 1124.02,1797.24 1092.22,1829.04 996.06,1829.04 927.95,1760.93 ; L1.2@1190.71,3039.37 1102.36,3039.37 1082.68,3019.68 C11.1@1000,3019.68 ; R31.2@1481.5,2651.97 1481.5,2799.21 ; D11.1@1543.31,2799.21 1481.5,2799.21 ; D12.2@3736.93,1160.43 3736.93,1165.35 3751.61,1180.04 3756.54,1180.04 3818.7,1242.2 4072.76,1242.2 4102.36,1212.6 K2.4@4102.36,1153.54 4102.36,129.92 4062.99,90.55 649.61,90.55 606.3,133.86 606.3,448.82 555.12,500 161.42,500 125.98,535.43 125.98,1708.66 177.17,1759.84 926.87,1759.84 927.95,1760.93 ; 927.95,1760.93 C10.1@927.95,2791.34 927.95,2799.21 1000,2799.21 ; 1000,2799.21 1481.5,2799.21 ; 1000,2799.21 C11.1@1000,3019.68
+12: C1.2 D10.2 P3.1 P4.1 P5.1 P9.1 R3.1 U2.2 | length 10418.8
  Top Layer w10: P4.1@319.69,1904.06 317.2,1901.57 66.93,1901.57 ; P3.1@319.69,2384.06 66.93,2384.06 ; D10.2@680.24,3555.12 669.29,3566.06 C1.2@669.29,3662.6 ; 1082.68,3456.69 1082.68,3501.38 U2.2@1085.24,3503.94 1085.24,3456.69 1085.24,3423.82 1066.93,3405.51 795.28,3405.51 775.59,3425.2 775.59,3470.44 R3.1@775.59,3662.6 C1.2@669.29,3662.6 ; P9.1@4387.6,678.35 4217.72,678.35 4207.58,668.21 4207.58,107.78 4150.98,51.18 586.61,51.18 555.12,82.68 555.12,370.08 510.82,414.37 P5.1@319.69,414.37 318.7,413.39 125.98,413.39 66.93,472.44 66.93,1901.57 ; 66.93,1901.57 66.93,2384.06 ; 66.93,2384.06 66.93,3590.55 98.43,3622.05 511.81,3622.05 552.36,3662.6 C1.2@669.29,3662.6
ALARM: P11.9 R51.2 | length 183.5
  Top Layer w10: R51.2@3030.32,2177.95 P11.9@3213.78,2177.95
ALARM_OUT: C42.1 D14.A R37.1 U4.44 | length 2113.8
  Top Layer w10: U4.44@2508.66,1966.83 3635.53,1966.83 v1(3661.42,1940.94) ; C42.1@3513.63,1149.92 3500.33,1136.61 C42.1@3499.34,1136.61 3499.34,1164.7 3527.09,1192.44 D14.A@3527.09,1240.16 R37.1@3627.87,1240.16 3629.92,1242.2 v1(3629.92,1299.21)
  Bottom Layer w10: v1(3629.92,1299.21) 3661.42,1330.71 v1(3661.42,1940.94)
BOOT0: R41.1 U4.60 W2.2 | length 566.9
  Top Layer w10: U4.60@2193.7,2144 2193.7,2282.81 2181.1,2295.41 2181.1,2362.2 2193.7,2374.8 W2.2@2193.7,2574.8 2317.72,2574.8 R41.1@2318.9,2575.98
CLK: P11.1 R47.2 | length 183.8
  Top Layer w10: R47.2@3030.32,2578.74 3031.1,2577.95 P11.1@3213.78,2577.95
DEBUG_RX: U4.43 U6.12 | length 2438.5
  Top Layer w10: U4.43@2508.66,1947.15 3497.73,1947.15 v1(3519.69,1925.2) ; U6.12@3507.6,584.45 3508.68,585.53 3565.85,585.53 v1(3566.93,586.61)
  Bottom Layer w10: v1(3519.69,1925.2) 3519.69,657.48 3566.93,610.24 v1(3566.93,586.61)
DEBUG_TX: U4.42 U6.11 | length 2524.6
  Top Layer w10: U4.42@2508.66,1927.46 3450.49,1927.46 3484.25,1893.7 v1(3559.06,1893.7) ; U6.11@3507.6,534.45 3508.09,534.94 3594,534.94 v1(3594.49,535.43)
  Bottom Layer w10: v1(3559.06,1893.7) 3559.06,1231.24 3594.49,1195.81 v1(3594.49,535.43)
DIO0: M1.5 U4.59 | length 2401.6
  Top Layer w10: M1.5@1889.68,224.41 v1(1889.68,338.58) ; v1@2211.7,2316.58 v1(2211.39,2316.9) 2211.39,2314.81 2213.39,2312.81 U4.59@2213.39,2144 U4.59@2213.04,2144.35
  Bottom Layer w10: v1(1889.68,338.58) 1993.74,442.64 1995.84,442.64 2090.55,537.35 2090.55,1242.13 2137.8,1289.37 2137.8,1535.43 2209.39,1607.02 2209.39,2314.9 v1(2211.39,2316.9)
DIO1: M1.6 U4.58 | length 2426.8
  Top Layer w10: v1(1964.57,338.58) 1964.57,228.26 M1.6@1968.42,224.41 ; U4.58@2233.07,2144 2233.07,2197.38 2231.39,2199.06 2231.39,2286.81 2247.24,2302.67 v1(2247.24,2334.65)
  Bottom Layer w10: v1(1964.57,338.58) 2122.05,496.06 2122.05,834.65 2227.39,939.98 2227.39,2286.85 2247.24,2306.71 v1(2247.24,2334.65)
DIO2: M1.7 U4.57 | length 2264.9
  Top Layer w10: M1.7@2047.16,224.41 2047.24,224.5 v1(2047.24,358.09) ; U4.57@2252.76,2144 2252.76,2203.15 2250.41,2205.5 2250.41,2270.08 v1(2253.24,2272.91)
  Bottom Layer w10: v1(2047.24,358.09) 2047.24,358.27 2169.29,480.31 2169.29,846.46 2250.41,927.57 2250.41,2270.08 v1(2253.24,2272.91)
DIO3: M1.8 U4.56 | length 2132.6
  Top Layer w10: v1(2122.05,358.09) 2125.9,354.24 M1.8@2125.9,224.41 ; v1(2272.27,2218.5) 2272.35,2218.42 2272.35,2144.09 U4.56@2272.44,2144
  Bottom Layer w10: v1(2122.05,358.09) 2122.05,362.2 2272.44,512.6 2272.44,2218.33 v1(2272.27,2218.5)
DIO4: M1.10 U4.54 | length 2123.6
  Top Layer w10: M1.10@2047.16,830.71 2047.16,1085.41 2083.95,1122.21 2410.45,1122.21 2437.64,1095.02 v1(2496.81,1095.02) ; v1(2307.09,2275.59) 2311.81,2270.87 U4.54@2311.81,2144
  Bottom Layer w10: v1(2307.09,2275.59) 2313.28,2269.4 2313.28,1739.63 2495.86,1557.05 2495.86,1095.98 v1(2496.81,1095.02)
DIO5: M1.11 U4.55 | length 2113.9
  Top Layer w10: M1.11@1968.42,830.71 1968.42,1104.71 2005.98,1142.28 2442.53,1142.28 v1(2462.6,1122.21) ; v1(2283.46,2255.12) 2292.13,2246.46 U4.55@2292.13,2144
  Bottom Layer w10: v1(2283.46,2255.12) 2283.46,2253.03 2295.28,2241.22 2295.28,1731.07 2462.6,1563.74 v1(2462.6,1122.21)
DOOR_OPEN: C20.1 R20.1 R35.2 R36.1 U4.8 | length 1213
  Top Layer w10: R20.1@1125.98,1493.31 1139.29,1506.61 1165.67,1506.61 1211.61,1552.56 R35.2@1212.6,1552.56 ; v1(1275.59,1657.48) 1213.78,1657.48 R36.1@1212.6,1658.66 R35.2@1212.6,1552.56 ; C20.1@1299.21,1550 1296.65,1552.56 R35.2@1212.6,1552.56 ; v1(1886.82,1888.09) 1906.5,1907.78 U4.8@2016.54,1907.78
  Bottom Layer w10: v1(1275.59,1657.48) 1656.2,1657.48 v1(1886.82,1888.09)
GND: BT1.2 C1.1 C2.1 C3.2 C4.1 C5.2 C6.1 C7.1 C10.2 C11.2 C13.1 C15.2 C16.2 C17.1 C18.1 C19.2 C20.2 C21.2 C22.2 C23.2 C24.2 C25.2 C26.1 C27.1 C28.1 C29.1 C30.1 C31.1 C35.1 C36.2 C37.2 C38.1 C39.2 C40.2 C41.2 C42.2 C43.2 D2.1 D3.K D15.1 J1.2 J1.3 J1.4 J1.5 J2.4 J2.7 J2.8 J3.2 J4.1 J5.2 J5.3 J5.4 J5.5 J6.2 J6.3 K1.1 K1.2 K2.2 M1.2 M1.9 M1.16 P5.2 P6.3 P7.3 P8.1 P10.2 P11.2 P11.4 P11.6 P11.8 P11.10 Q2.2 Q3.2 Q6.2 Q7.2 Q9.2 Q10.2 Q11.2 Q12.2 R5.2 R8.2 R29.2 R34.1 R35.1 R45.2 R46.2 S1.2 S1.4 S2.2 S2.4 U1.1 U1.10 U1.27 U1.34 U1.36 U1.37 U1.40 U1.41 U2.4 U3.4 U4.12 U4.18 U4.31 U4.47 U4.63 U5.3 U5.5 U6.15 U7.3 U7.9 VR1.1 W1.1 W2.1 | length 1438.5
  Top Layer w10: v1(510.82,1378.74) 531.83,1357.74 Q10.2@663.19,1357.74 ; U4.12@2016.54,1829.04 2070.73,1829.04 v1(2081.04,1839.35) ; v1(2106.35,2054.95) 2134.65,2083.25 U4.63@2134.65,2144 ; v1(2118.2,1734.13) 2134.65,1717.68 U4.18@2134.65,1651.87 ; U4.31@2390.55,1651.87 2390.55,1796.36 v1(2442.92,1848.72) ; v1(2442.92,2006.2) 2462.6,2025.89 U4.47@2508.66,2025.89 ; U7.9@2740.16,3762.8 2740.16,3804.78 v1(2745.12,3809.74) ; v1(2759.84,3589.07) U7.3@2759.84,3646.65 ; C21.2@3035.43,1638.98 3087.64,1638.98 v1(3098.27,1649.61) ; v1(3830.8,3252.5) 3830.8,3122.56 3860.54,3092.82 3860.54,3007.57 3899.61,2968.5 U1.10@3935.04,2968.5
  Top Layer w25: U1.27@4537.4,3011.81 4612.63,3011.81 v1(4633.86,3033.04) ; U1.34@4537.4,3314.96 4537.89,3315.45 4603.85,3315.45 v1(4626.98,3338.58)
  other v1: 3405.51,451.87 3071.12,523.53 3405.51,523.53 3123.79,553.65 3405.51,605.53 3123.79,641.58 3405.51,673.53 3405.51,744.09 2707.69,775.59 2710.55,837.37 492.13,885.87 531.37,885.87 577.46,885.87 624.45,885.87 677.69,885.87 837.1,893.7 838.74,928.41 837.1,968.61 1321.42,968.61 1259.84,978.98 511.81,1244.94 571.96,1244.94 1228.35,1249.99 1303.15,1252.3 1128.6,1257.42 476.96,1263.78 443.64,1295.38 1755.91,1295.28 1118.07,1314.87 1211.61,1314.87 1299.21,1322.99 3121.73,1325.21 3088.37,1327.56 2651.62,1329.37 2704.76,1329.37 2768.94,1329.37 2833.77,1329.37 1755.91,1342.52 1125.98,1378.74 1213.78,1377.95 1299.21,1377.95 2654.81,1377.95 2707.95,1377.95 2772.13,1377.95 2836.95,1377.95 3121.73,1378.36 3088.37,1380.71 1755.91,1385.77 3273.75,1405.51 3338.58,1405.51 3402.76,1405.51 3455.9,1405.51 2003.72,1410.94 2035.43,1410.94 2066.57,1410.94 2648.23,1425.29 2701.38,1425.29 2765.55,1425.29 2830.38,1425.29 1755.91,1428.18 3812.84,1438.94 3880.5,1438.94 3945.32,1438.94 4009.5,1438.94 4062.64,1438.94 3121.73,1442.53 2005.98,1444.88 3088.37,1444.88 2041.26,1445 3277.85,1462.13 3342.67,1462.13 3406.85,1462.13 3459.99,1462.13 1510.24,1472.71 1548.62,1474.59 2648.21,1477.01 2701.35,1477.01 2765.53,1477.01 2830.35,1477.01 3814.7,1498.12 3882.35,1498.12 3947.18,1498.12 4011.35,1498.12 4064.49,1498.12 3121.73,1507.36 1509.06,1509.76 1547.24,1509.76 3088.37,1509.71 3277.85,1511.81 3342.67,1511.81 3406.85,1511.81 3459.99,1511.81 3277.85,1557.05 3342.67,1557.05 3406.85,1557.05 3459.99,1557.05 3814.59,1557.05 3882.24,1557.05 3947.07,1557.05 4011.24,1557.05 4064.39,1557.05 2779.53,1595.34 2828.91,1607.23 1560.55,1706.15 1510.24,1752.06 1558.5,1752.06 1553.15,1907.78 1589.37,1907.78 1635.04,1907.78 1681.56,1908.99 1043.31,1959.68 1124.02,1961.56 1054.33,2025.89 1145.67,2028.24 1211.61,2032.81 1311.02,2042.64 3000,2042.64 3064.17,2042.64 3117.32,2042.64 1047.24,2090.55 1133.86,2104.06 1211.61,2104.06 1299.21,2104.06 2478.43,2174.02 1211.61,2175.31 1054.33,2177.81 1133.86,2177.81 1333.02,2180.46 1820.56,2221.35 1868.57,2221.35 3809.09,2226.38 3852.78,2226.38 3903.54,2226.38 2478.43,2235.98 1333.02,2243.21 1124.02,2251.9 1218.5,2251.9 1047.24,2255.26 1800.7,2275.59 1858.42,2282.81 1635.04,2284.62 2478.43,2284.62 1607.62,2319.99 1737.2,2329.44 1793.01,2331.87 1858.42,2339.96 1512.99,2344.35 1567.28,2344.35 1713.39,2397.64 1783.08,2397.64 1854.5,2397.64 4334.65,2425.2 4387.6,2425.2 4334.26,2460.12 4377.57,2460.12 1653.16,2567.06 1686.61,2566.93 2874.1,2974.33 2928.93,2974.33 2982.33,2980.32 2875.35,3022.05 2982.33,3022.05 2928.93,3023.62 2928.93,3062.4 2985.24,3062.4 2875.62,3070.87 1947.19,3269.03 2000.33,3269.03 2064.5,3269.03 2129.33,3269.03 1943.41,3316.67 1996.56,3316.67 2060.73,3316.67 2125.56,3316.67 2874.1,3337.6 2598.38,3338.33 2921.38,3338.33 2985.24,3343.13 2473.23,3358.44 1945.85,3370.11 1999,3370.11 2063.17,3370.11 2128,3370.11 3344.91,3395.63 3412.56,3395.63 3477.39,3395.63 3541.56,3395.63 3900.69,3398.62 2591.14,3403.38 2874.1,3403.38 2921.38,3403.38 2980.32,3403.38 2473.23,3411.42 1945.85,3423.82 1999,3423.82 2063.17,3423.82 2128,3423.82 3917.32,3457.78 3988.47,3463.77 1945.85,3484.25 1999,3484.25 2063.17,3484.25 2128,3484.25 1319.19,3486.07 1246.91,3487.82 1281.93,3487.82 933.07,3502.08 1945.85,3535.43 1999,3535.43 2063.17,3535.43 2128,3535.43 933.07,3547.2 974.47,3547.2 1319.19,3553.72 1246.91,3555.47 1281.93,3555.47 1945.85,3580.82 1999,3580.82 2063.17,3580.82 2128,3580.82 942.38,3582.68 974.47,3598.43 1319.19,3618.55 1246.91,3620.3 1281.93,3620.3 1947.19,3628.94 2000.33,3628.94 2064.5,3628.94 2129.33,3628.94 974.47,3645.67 1949.61,3675.58 2002.76,3675.58 2066.93,3675.58 2131.76,3675.58 1319.19,3682.73 1246.91,3684.47 1281.93,3684.47 1949.61,3730.31 2002.76,3730.31 2066.93,3730.31 2131.76,3730.31 1319.19,3735.87 1246.91,3737.62 1281.93,3737.62 3702.51,3866.98 3770.16,3866.98 3834.99,3866.98 3899.16,3866.98 3952.3,3866.98
GREEN_LED: R39.2 U4.25 | length 1567.9
  Top Layer w10: U4.25@2272.44,1651.87 2272.44,1538.58 v1(2307.09,1503.94) ; v1(2350.39,972.44) 2740.16,972.44 2753.6,959 v1(2797,959) ; v1(2820,617) 2820,565.43 R39.2@2820.67,564.76
  Bottom Layer w10: v1(2307.09,1503.94) 2342.52,1468.5 2342.52,982.4 2350.39,974.53 v1(2350.39,972.44) ; v1(2797,959) 2797,915.6 2820,892.6 v1(2820,617)
KEY_EMERGENCY: C17.2 R17.2 R33.1 U4.2 U5.6 | length 1258.2
  Top Layer w10: U5.6@1091.65,2450.06 C17.2@1230.85,2450.06 ; R17.2@1232.28,2589.43 1232.28,2451.49 C17.2@1230.85,2450.06 ; v1(1385.83,2402.76) R33.1@1338.58,2402.76 1278.15,2402.76 C17.2@1230.85,2450.06 ; v1@1595.47,2402.56 1763.78,2234.25 1763.78,2203.15 1940.69,2026.24 2016.19,2026.24 U4.2@2016.54,2025.89
  Bottom Layer w10: v1(1385.83,2402.76) 1387.01,2401.57 v1(1594.49,2401.57)
KEY_OPEN: C16.1 P10.1 S1.1 S1.3 U4.27 | length 3209
  Top Layer w10: U4.27@2311.81,1651.87 2311.81,1584.6 2360.98,1535.43 3039.06,1535.43 3121.73,1618.11 3903.54,1618.11 3994.09,1708.66 S1.1@4023.62,1708.66 4387.6,1708.66 ; C16.1@4179.92,1311.02 4387.6,1311.02 ; P10.1@4387.6,1169.13 4387.6,1311.02 ; S1.3@4614.17,1708.66 4387.6,1708.66 ; 4387.6,1311.02 4387.6,1708.66
KEY_SET: C21.1 S2.1 S2.3 U4.28 | length 1575.2
  Top Layer w10: U4.28@2331.5,1651.87 2331.15,1651.53 2331.15,1607.27 2378.38,1560.04 2854.92,1560.04 2994.49,1699.61 C21.1@3035.43,1699.61 ; C21.1@3026.57,1690.16 3064.17,1690.16 3082.68,1708.66 S2.1@3177.17,1708.66 S2.3@3767.72,1708.66
LE: P11.5 R49.2 | length 183.5
  Top Layer w10: R49.2@3030.32,2377.95 P11.5@3213.78,2377.95
"LORA AUX": J4.6 R55.2 | length 126.6
  Top Layer w10: J4.6@2457.52,309.88 2508.23,309.88 2525.12,326.77 R55.2@2577.13,326.77
"LORA SETA": J4.3 R52.2 | length 115.8
  Top Layer w10: J4.3@2457.52,609.88 R52.2@2573.35,609.88
"LORA SETB": J4.7 R56.2 | length 135.9
  Top Layer w10: J4.7@2457.52,209.88 2496.81,249.17 R56.2@2577.13,249.17
LORA_RXD: J4.5 R53.2 | length 115.8
  Top Layer w10: J4.5@2457.52,409.88 R53.2@2573.35,409.88
LORA_TXD: J4.4 R54.2 | length 114.5
  Top Layer w10: J4.4@2457.52,509.88 R54.2@2572.05,509.88
MCU_NB_RXD: P2.5 U4.17 | length 2267.2
  Top Layer w10: v1(1889.68,1263.78) 1901.49,1251.97 2700.79,1251.97 2710.55,1242.2 v1(3314.96,1242.2) ; v1(2035.43,1649.61) 2114.12,1649.61 2114.96,1650.44 U4.17@2114.96,1651.87
  Bottom Layer w10: v1(1889.68,1263.78) 1889.68,1503.85 v1(2035.43,1649.61) ; P2.5@3270.55,955.12 3314.96,999.53 v1(3314.96,1242.2)